# Altium PCB driver_V1.2.3.PcbDoc (part 1 of 2) (continued)
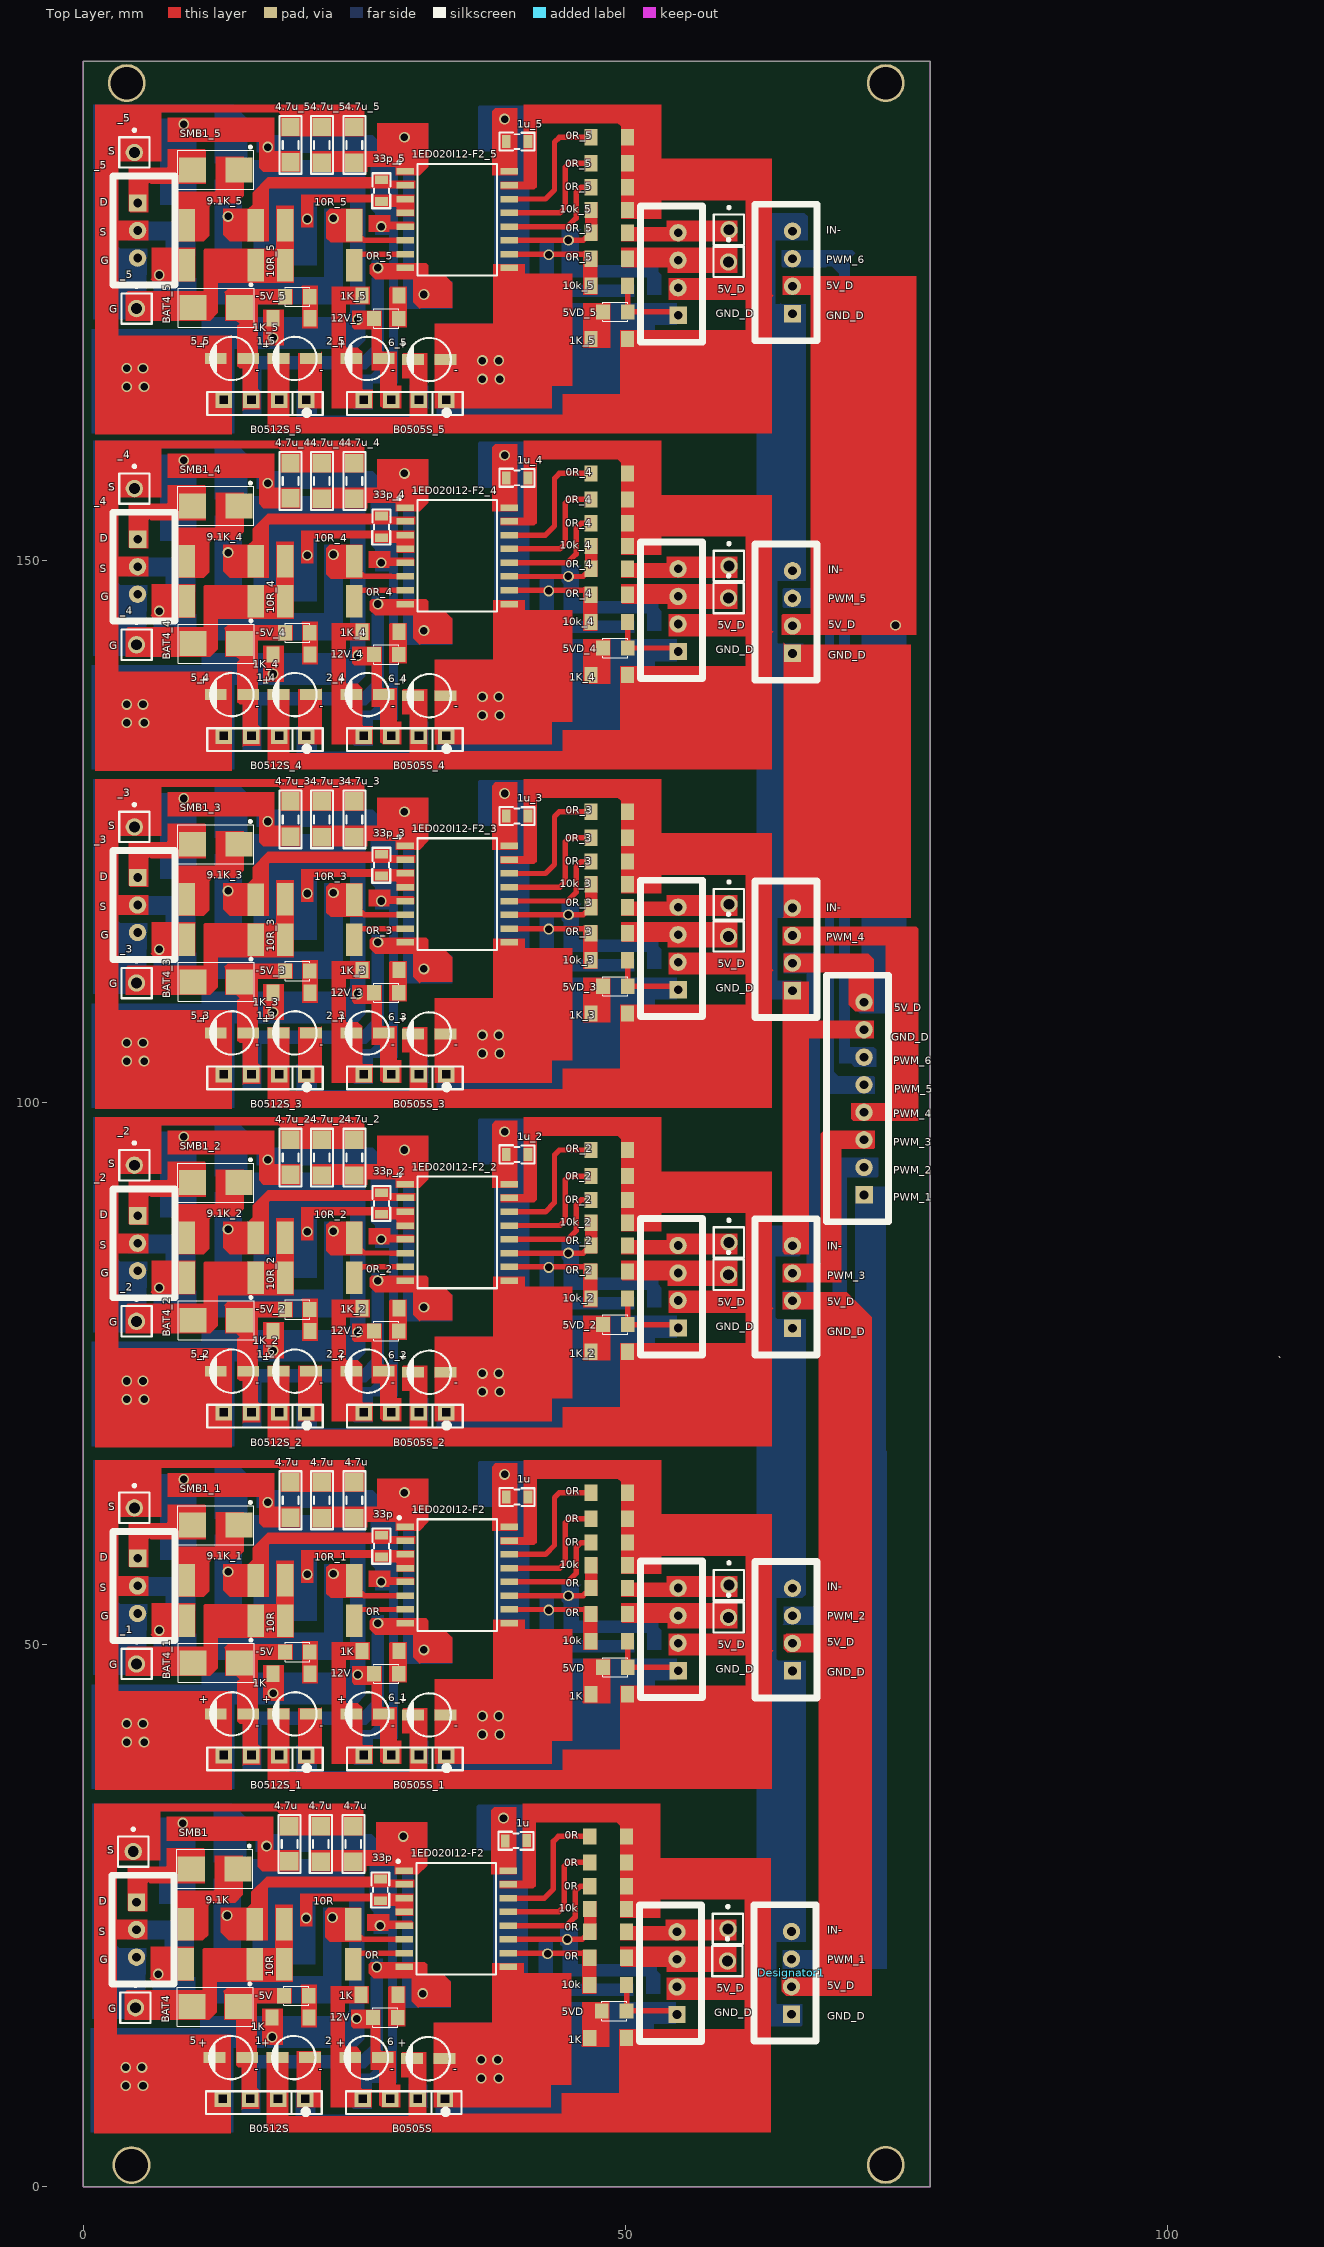
[diagram p0: Top Layer view]
## Components (designator, comment, footprint, x,y, rotation, side; value= is the part's Value field where it differs from the comment) (continued)
100p "100pF" "Tu 0805_N" 52.503,17.2 r90 bottom (schematic designator C2)
-5V "LED 0805" LED-0805-Red 20.786,17.6 r180 top (schematic designator L1)
-5V "LED 0805" LED-0805-Red 20.886,49.3 r180 top (schematic designator L1)
-5V_2 "LED 0805" LED-0805-Red 20.886,80.9 r180 top (schematic designator L1)
-5V_3 "LED 0805" LED-0805-Red 20.886,112.1 r180 top (schematic designator L1)
-5V_4 "LED 0805" LED-0805-Red 20.886,143.3 r180 top (schematic designator L1)
-5V_5 "LED 0805" LED-0805-Red 20.886,174.3 r180 top (schematic designator L1)
_1 "JP 1x1 2.54" test_point 4.9,48.2 r0 top (schematic designator JP1)
_2 "JP 1x1 2.54" test_point 4.9,79.8 r0 top (schematic designator JP1)
_2 "JP 1x1 2.54" test_point 4.7,94.2 r0 top (schematic designator JP2)
_2 "JP 1x3 2.54" XH2.54M-3 5,89.54 r270 top (schematic designator JP3)
_3 "JP 1x1 2.54" test_point 4.9,111 r0 top (schematic designator JP1)
_3 "JP 1x1 2.54" test_point 4.7,125.4 r0 top (schematic designator JP2)
_3 "JP 1x3 2.54" XH2.54M-3 5,120.74 r270 top (schematic designator JP3)
_4 "JP 1x1 2.54" test_point 4.9,142.2 r0 top (schematic designator JP1)
_4 "JP 1x1 2.54" test_point 4.7,156.6 r0 top (schematic designator JP2)
_4 "JP 1x3 2.54" XH2.54M-3 5,151.94 r270 top (schematic designator JP3)
_5 "JP 1x1 2.54" test_point 4.9,173.2 r0 top (schematic designator JP1)
_5 "JP 1x1 2.54" test_point 4.7,187.6 r0 top (schematic designator JP2)
_5 "JP 1x3 2.54" XH2.54M-3 5,182.94 r270 top (schematic designator JP3)
B0505S "DC_DC_5V" B0505S/D-1W 29.5,7.8 r0 top (schematic designator U1)
B0505S_1 "DC_DC_5V" B0505S/D-1W 29.6,39.5 r0 top (schematic designator U1)
B0505S_2 "DC_DC_5V" B0505S/D-1W 29.6,71.1 r0 top (schematic designator U1)
B0505S_3 "DC_DC_5V" B0505S/D-1W 29.6,102.3 r0 top (schematic designator U1)
B0505S_4 "DC_DC_5V" B0505S/D-1W 29.6,133.5 r0 top (schematic designator U1)
B0505S_5 "DC_DC_5V" B0505S/D-1W 29.6,164.5 r0 top (schematic designator U1)
B0512S "DC_DC_12V" B0512S/D-1W 16.6,7.8 r0 top (schematic designator U2)
B0512S_1 "DC_DC_12V" B0512S/D-1W 16.7,39.5 r0 top (schematic designator U2)
B0512S_2 "DC_DC_12V" B0512S/D-1W 16.7,71.1 r0 top (schematic designator U2)
B0512S_3 "DC_DC_12V" B0512S/D-1W 16.7,102.3 r0 top (schematic designator U2)
B0512S_4 "DC_DC_12V" B0512S/D-1W 16.7,133.5 r0 top (schematic designator U2)
B0512S_5 "DC_DC_12V" B0512S/D-1W 16.7,164.5 r0 top (schematic designator U2)
BAT1 "BAT165" SMB 11.15,27.3 r180 bottom
BAT1_1 "BAT165" SMB 11.25,59 r180 bottom (schematic designator BAT1)
BAT1_2 "BAT165" SMB 11.25,90.6 r180 bottom (schematic designator BAT1)
BAT1_3 "BAT165" SMB 11.25,121.8 r180 bottom (schematic designator BAT1)
BAT1_4 "BAT165" SMB 11.25,153 r180 bottom (schematic designator BAT1)
BAT1_5 "BAT165" SMB 11.25,184 r180 bottom (schematic designator BAT1)
BAT2 "BAT165" SMB 11.1,31.3 r180 bottom
BAT2_1 "BAT165" SMB 11.2,63 r180 bottom (schematic designator BAT2)
BAT2_2 "BAT165" SMB 11.2,94.6 r180 bottom (schematic designator BAT2)
BAT2_3 "BAT165" SMB 11.2,125.8 r180 bottom (schematic designator BAT2)
BAT2_4 "BAT165" SMB 11.2,157 r180 bottom (schematic designator BAT2)
BAT2_5 "BAT165" SMB 11.2,188 r180 bottom (schematic designator BAT2)
BAT3 "BAT165" SMB 11.2,18.1 r0 bottom
BAT3_1 "BAT165" SMB 11.3,49.8 r0 bottom (schematic designator BAT3)
BAT3_2 "BAT165" SMB 11.3,81.4 r0 bottom (schematic designator BAT3)
BAT3_3 "BAT165" SMB 11.3,112.6 r0 bottom (schematic designator BAT3)
BAT3_4 "BAT165" SMB 11.3,143.8 r0 bottom (schematic designator BAT3)
BAT3_5 "BAT165" SMB 11.3,174.8 r0 bottom (schematic designator BAT3)
BAT4 "BAT165" SMB 12.15,16.6 r180 top
BAT4_1 "BAT165" SMB 12.25,48.3 r180 top (schematic designator BAT4)
BAT4_2 "BAT165" SMB 12.25,79.9 r180 top (schematic designator BAT4)
BAT4_3 "BAT165" SMB 12.25,111.1 r180 top (schematic designator BAT4)
BAT4_4 "BAT165" SMB 12.25,142.3 r180 top (schematic designator BAT4)
BAT4_5 "BAT165" SMB 12.25,173.3 r180 top (schematic designator BAT4)
BAT5 "BAT165" SMB 11.1,22.6 r0 bottom
BAT5_1 "BAT165" SMB 11.2,54.3 r0 bottom (schematic designator BAT5)
BAT5_2 "BAT165" SMB 11.2,85.9 r0 bottom (schematic designator BAT5)
BAT5_3 "BAT165" SMB 11.2,117.1 r0 bottom (schematic designator BAT5)
BAT5_4 "BAT165" SMB 11.2,148.3 r0 bottom (schematic designator BAT5)
BAT5_5 "BAT165" SMB 11.2,179.3 r0 bottom (schematic designator BAT5)
C2_1 "100pF" "Tu 0805_N" 52.603,48.9 r90 bottom (schematic designator C2)
C2_2 "100pF" "Tu 0805_N" 52.603,80.5 r90 bottom (schematic designator C2)
C2_3 "100pF" "Tu 0805_N" 52.603,111.7 r90 bottom (schematic designator C2)
C2_4 "100pF" "Tu 0805_N" 52.603,142.9 r90 bottom (schematic designator C2)
C2_5 "100pF" "Tu 0805_N" 52.603,173.9 r90 bottom (schematic designator C2)
C3_1 "100pF" "Tu 0805_N" 50.2,48.9 r90 bottom (schematic designator C3)
C3_2 "100pF" "Tu 0805_N" 50.2,80.5 r90 bottom (schematic designator C3)
C3_3 "100pF" "Tu 0805_N" 50.2,111.7 r90 bottom (schematic designator C3)
C3_4 "100pF" "Tu 0805_N" 50.2,142.9 r90 bottom (schematic designator C3)
C3_5 "100pF" "Tu 0805_N" 50.2,173.9 r90 bottom (schematic designator C3)
Designator1 "JP 1x4 2.54" XH2.54M-4 65.3,15.9 r90 top (schematic designator JP8)
H1 "Header 8P 2.54 Duc Thang" XH2.54M-8 72,91.46 r90 top
JP1 "JP 1x1 2.54" test_point 4.8,16.5 r0 top
JP2 "JP 1x1 2.54" test_point 4.6,30.9 r0 top
JP2 "JP 1x1 2.54" test_point 4.7,62.6 r0 top
JP3 "JP 1x3 2.54" XH2.54M-3 4.9,26.24 r270 top
JP3 "JP 1x3 2.54" XH2.54M-3 5,57.94 r270 top
JP4 "JP 1x4 2.54" XH2.54M-4 54.75,15.88 r90 top
JP4 "JP 1x4 2.54" XH2.54M-4 54.85,47.58 r90 top
JP4 "JP 1x4 2.54" XH2.54M-4 54.85,79.18 r90 top
JP4 "JP 1x4 2.54" XH2.54M-4 54.85,110.38 r90 top
JP4 "JP 1x4 2.54" XH2.54M-4 54.85,141.58 r90 top
JP4 "JP 1x4 2.54" XH2.54M-4 54.85,172.58 r90 top
JP5 "JP 1x1 2.54" test_point 59.4,20.8 r0 top
JP5 "JP 1x1 2.54" test_point 59.5,52.5 r0 top
JP5 "JP 1x1 2.54" test_point 59.5,84.1 r0 top
JP5 "JP 1x1 2.54" test_point 59.5,115.3 r0 top
JP5 "JP 1x1 2.54" test_point 59.5,146.5 r0 top
JP5 "JP 1x1 2.54" test_point 59.5,177.5 r0 top
JP6 "JP 1x1 2.54" test_point 59.44,23.77 r0 top
JP6 "JP 1x1 2.54" test_point 59.54,55.47 r0 top
JP6 "JP 1x1 2.54" test_point 59.54,87.07 r0 top
JP6 "JP 1x1 2.54" test_point 59.54,118.27 r0 top
JP6 "JP 1x1 2.54" test_point 59.54,149.47 r0 top
JP6 "JP 1x1 2.54" test_point 59.54,180.47 r0 top
JP7 "JP 1x4 2.54" XH2.54M-4 65.4,172.72 r90 top
JP9 "JP 1x4 2.54" XH2.54M-4 65.4,79.16 r90 top
JP10 "JP 1x4 2.54" XH2.54M-4 65.4,141.4 r90 top
JP11 "JP 1x4 2.54" XH2.54M-4 65.4,47.56 r90 top
JP12 "JP 1x4 2.54" XH2.54M-4 65.4,110.3 r90 top
SMB1 "S3N" SMB 12.1,29.3 r180 top
SMB1_1 "S3N" SMB 12.2,61 r180 top (schematic designator SMB1)
SMB1_2 "S3N" SMB 12.2,92.6 r180 top (schematic designator SMB1)
SMB1_3 "S3N" SMB 12.2,123.8 r180 top (schematic designator SMB1)
SMB1_4 "S3N" SMB 12.2,155 r180 top (schematic designator SMB1)
SMB1_5 "S3N" SMB 12.2,186 r180 top (schematic designator SMB1)

## Footprints (in the part's own frame and the unit in brackets; to place one, negate y for a bottom-side part, rotate by r counter-clockwise, add the part's x,y. Pads: shape width x height; smd on the part's side, far side on the other; paste and mask are expansions set on the pad)
B0505S/D-1W [mm] "B0512S/D-1W"
  rect 1.52x1.52 hole 0.75 square: 1(3.85,0.3) 2(1.35,0.3) 3(-1.2,0.3) 4(-3.74,0.3)
  silkscreen extent -5.28,-1.12 5.38,1, body extent -5.8,-4.8 5.8,1.52, height 18.66
B0512S/D-1W [mm] "B0512S/D-1W"
  rect 1.52x1.52 hole 0.75 square: 1(3.85,0.3) 2(1.35,0.3) 3(-1.2,0.3) 4(-3.74,0.3)
  silkscreen extent -5.28,-1.12 5.38,1, body extent -6,-4.1 5.6,1.91, height 18
LED-0805-Red [mil]
  rect 50x55 smd: 1(0,0) 2(90,0)
  silkscreen extent 0,-35 90,35, body extent 5,-25 85,25, height 43
RES1206 [mm]
  rect 1.2x1.5 smd: 1(-1.7,0) 2(1.7,0)
  body extent -1.9,-0.8 1.9,0.8, height 0.6
RES_2512 [mm]
  rect 1.5x3 smd: 1(3.185,0.2)
  rect 1.524x3 smd: 2(-3.166,0.208)
  body extent -3.4,-1.35 3.4,1.75, height 0.6
SMB [mm] "DO-214"
  rect 2.5x2.3 smd: 1(-2.15,0) 2(2.15,0)
  silkscreen extent -3.5,-2.2 3.5,1.8, body extent -2.7,-1.8 2.7,1.8
SOIC127P1028X264-16N-1 [mm] "SOIC,1.27mm,pitch;16 pin,7.52mm W X 10.34mm L X 2.64mm H body"
  rect 1.6x0.6 smd paste+0 mask+0: 1(-4.8,4.445) 2(-4.8,3.175) 3(-4.8,1.905) 4(-4.8,0.635) 5(-4.8,-0.635) 6(-4.8,-1.905) 7(-4.8,-3.175) 8(-4.8,-4.445) 9(4.8,-4.445) 10(4.8,-3.175) 11(4.8,-1.905) 12(4.8,-0.635) 13(4.8,0.635) 14(4.8,1.905) 15(4.8,3.175) 16(4.8,4.445)
  silkscreen extent -5.47,-5.15 3.68,5.42, body extent -5.16,-5.17 5.16,5.17, height 2.65
test_point [mm] "1pins, 1 row, straight, gold plating"
  round 1.6 hole 1: 1(0,0)
  silkscreen extent -1.4,-1.4 1.4,2.17, body extent -1.27,-1.27 1.27,1.27, height 4.89
"Tu 0805_N" [mm] "Compoment SMD 80x50mil"
  rect 0.8x1.2 smd: 1(-1,-0.003) 2(1,0)
  silkscreen extent -1.62,-0.83 1.61,0.83, body extent -1,-0.62 1,0.63, height 1.26
"tu 1206_N"#1 [mm]
  rect 1.7x1.7 smd: 1(-1.65,0) 2(1.65,0)
  silkscreen extent -2.67,-1.02 2.67,1.02, body extent -1.6,-1.25 1.6,1.25, height 2.01
"tu 1206_N"#2 [mm]
  rect 1.7x1.7 smd: 1(-1.65,0) 2(1.6,0)
  silkscreen extent -2.67,-1.02 2.67,1.02, body extent -1.6,-1.25 1.6,1.25, height 2.01
tu_4x5.4mm [mm]
  rect 2x1 smd: 1(-1.5,0) 2(1.5,0)
  silkscreen extent -2,-2 2,2, body extent -2.45,-2.15 2.45,2.15, height 5.4
XH2.54M-3 [mm]
  rect 1.6x1.6 hole 0.8: 1(0,0)
  round 1.6 hole 0.8: 2(2.54,0) 3(5.08,0)
  silkscreen extent -2.48,-2.26 7.56,3.46, body extent -2.48,-2.26 7.56,3.48, height 6.91
XH2.54M-4 [mm]
  rect 1.6x1.6 hole 0.8: 1(0,0)
  round 1.6 hole 0.8: 2(2.54,0) 3(5.08,0) 4(7.62,0)
  silkscreen extent -2.48,-2.26 10.1,3.46, body extent -2.48,-2.26 10.1,3.48, height 6.91
XH2.54M-8 [mm]
  rect 1.6x1.6 hole 0.8: 1(0,0)
  round 1.6 hole 0.8: 2(2.54,0) 3(5.08,0) 4(7.62,0) 5(10.16,0) 6(12.7,0) 7(15.24,0) 8(17.78,0)
  silkscreen extent -2.48,-2.26 20.26,3.46, body extent -2.48,-2.26 20.26,3.48, height 6.91

## Part data
0R 0R 0R 0R 0R 0R 0R 0R 0R 0R 0R 0R 0R_2 0R_2 0R_2 0R_2 0R_2 0R_2 0R_3 0R_3 0R_3 0R_3 0R_3 0R_3 0R_4 0R_4 0R_4 0R_4 0R_4 0R_4 0R_5 0R_5 0R_5 0R_5 0R_5 0R_5 1K 1K 1K 1K 1K 1K 1K_2 1K_2 1K_2 1K_3 1K_3 1K_3 1K_4 1K_4 1K_4 1K_5 1K_5 1K_5 9.1K 9.1K_1 9.1K_2 9.1K_3 9.1K_4 9.1K_5 10k 10k 10k 10k 10k_2 10k_2 10k_3 10k_3 10k_4 10k_4 10k_5 10k_5 10R 10R 10R 10R_1 10R_2 10R_2 10R_3 10R_3 10R_4 10R_4 10R_5 10R_5: library part 311-0.0GRTR-ND
1 1 1_2 1_3 1_4 1_5 2 2 2_2 2_3 2_4 2_5 5 5 5_2 5_3 5_4 5_5 6 6_1 6_2 6_3 6_4 6_5: library part capacitor_electric, "capacitor_electric"
1ED020I12-F2 1ED020I12-F2 1ED020I12-F2_2 1ED020I12-F2_3 1ED020I12-F2_4 1ED020I12-F2_5: "Single IGBT Driver IC"
1u 1u 1u_2 1u_3 1u_4 1u_5 33p 33p 33p_2 33p_3 33p_4 33p_5 100p 100p C2_1 C2_2 C2_3 C2_4 C2_5 C3_1 C3_2 C3_3 C3_4 C3_5: library part cap_0805
4.7u 4.7u 4.7u 4.7u 4.7u 4.7u 4.7u_2 4.7u_2 4.7u_2 4.7u_3 4.7u_3 4.7u_3 4.7u_4 4.7u_4 4.7u_4 4.7u_5 4.7u_5 4.7u_5: library part cap_1210
5VD 5VD 5VD_2 5VD_3 5VD_4 5VD_5 12V 12V 12V_2 12V_3 12V_4 12V_5 -5V -5V -5V_2 -5V_3 -5V_4 -5V_5: library part "LED 0805 Do", "Dán"
_1 _2 _2 _3 _3 _4 _4 _5 _5 JP1 JP2 JP2 JP5 JP5 JP5 JP5 JP5 JP5 JP6 JP6 JP6 JP6 JP6 JP6: library part "JP 1x1 2.54 Duc Thang", "C?m"
_2 _3 _4 _5 JP3 JP3: library part "JP 1x3 2.54 Duc Cong", "C?m"
B0505S B0505S_1 B0505S_2 B0505S_3 B0505S_4 B0505S_5: library part DC_DC_5v
B0512S B0512S_1 B0512S_2 B0512S_3 B0512S_4 B0512S_5: library part DC_DC_12v
Designator1 JP4 JP4 JP4 JP4 JP4 JP4 JP7 JP9 JP10 JP11 JP12: library part "JP 1x4 2.54 Duc Thang", "C?m"
H1: "C?m"
SMB1 SMB1_1 SMB1_2 SMB1_3 SMB1_4 SMB1_5: library part S3A-S3N

## Free pads (board coordinates)
  round 3.5 hole 3: 3(4,194) 3(4.438,1.985) 3(74,2) 3(74,194)

## Via types
v1: diameter 1, hole 0.7, Top Layer to Bottom Layer, 139 vias

## Nets (pads, with @x,y where several pads share a name; then routed paths per layer and width w, separated by ;. In a path a pad name is that pad's centre, name@x,y a point inside that pad or via, vN(x,y) a via of type N, cw(c..) or ccw(c..) an arc to the next point about the centre after c; other vN are vias at no path point)
5V_D: 0R.1@50.1,27.7 0R.1@50.1,29.9 0R.2@50.1,32.3 1.1@17.9,11.9 1ED020I12-F2.15@39.184,27.876 1K.1@50.1,13.7 1u.2@40.9,31.9 6.1 10k.2@50.1,25.6 B0505S.2 B0512S.2 JP4.2@54.75,18.42 | length 124.2
  Top Layer w0.5: 1.1@17.9,11.9 17.9,8.15 B0512S.2@17.95,8.1 17.95,6.45 18.6,5.8 30,5.8 30.465,6.265 ; 6.1@30.3,11.8 30.3,8.65 B0505S.2@30.85,8.1 30.85,6.65 30.465,6.265 ; 1ED020I12-F2.15@39.184,27.876 40.576,27.876 40.9,28.2 1u.2@40.9,31.9 40.9,34.1 41.3,34.5 49.2,34.5 50.1,33.6 0R.2@50.1,32.3 0R.1@50.1,29.9 0R.1@50.1,28 ; 10k.2@50.1,25.6 0R.1@50.1,27.7 0R.1@50.1,28 ; JP4.2@54.75,18.42 63,18.42 ; 30.465,6.265 48.035,6.265 50.1,8.33 1K.1@50.1,13.7 50.34,13.46 61.16,13.46 61.2,13.5 62.8,13.5 63,13.7 63,18.42 ; 0R.1@50.1,28 62.3,28 63,27.3 63,18.42
  Bottom Layer w0.5: B0505S.2@30.6,8.35 B0505S.2@30.85,8.1
5V_N: Designator1.2 H1.8 JP7.2 JP9.2 JP10.2 JP11.2 JP12.2 | length 197.6
  Top Layer w0.5: Designator1.2@65.3,18.44 67.79,18.44 68.95,19.6 68.95,50 ; JP9.2@65.4,81.7 68,81.7 68.95,80.75 68.95,50 ; JP12.2@65.4,112.84 70.86,112.84 72,111.7 H1.8@72,109.24 ; JP10.2@65.4,143.94 68.64,143.94 ; JP7.2@65.4,175.26 68.11,175.26 68.7,174.67 68.7,144 68.64,143.94 ; JP11.2@65.7,50 68.95,50 ; v1(74.9,144) 74.84,143.94 68.64,143.94
  Bottom Layer w0.5: JP9.2@65.4,81.7 65.87,81.7 66.07,81.5 66.5,81.5 67.2,82.2 67.2,112.5 66.86,112.84 JP12.2@65.4,112.84 ; H1.8@72,109.24 74.34,109.24 74.9,109.8 v1(74.9,144)
12V: 1ED020I12-F2.5@29.584,24.066 1K.1@25.6,17.7 2.1@24.6,11.9 4.7u.2@19,30 B0505S.4 BAT1.2 BAT2.2 | length 68.9
  Top Layer w0.5: v1(9.16,33.52) 16.5,33.52 16.91,33.11 v1@16.91,31.39 ; v1(16.9,31.4) v1@16.91,31.39 ; 4.7u.2@19,30 17.3,30 16.91,30.39 v1@16.91,31.39 ; 1K.1@25.6,17.7 24.3,17.7 23.6,17 23.6,12.9 2.1@24.6,11.9 25.1,11.4 25.1,8.76 B0505S.4@25.76,8.1 ; v1(27.366,24.066) 1ED020I12-F2.5@29.584,24.066
  Bottom Layer w0.5: BAT1.2@8.95,27.3 BAT2.2@8.95,31.3 8.95,33.31 v1(9.16,33.52) ; v1(16.9,31.4) 26.8,31.4 27.366,30.834 v1(27.366,24.066) 28.034,24.066 28.4,23.7 28.4,12 25.76,9.36 B0505S.4@25.76,8.1
-5V: 1ED020I12-F2.1@29.584,29.146 1ED020I12-F2.8@29.584,20.256 4.7u.1@21.9,29.95 4.7u.1@24.9,29.95 5.2@15.1,11.9 -5V.2@18.5,17.6 B0512S.3 BAT4.1 | length 71.2
  Top Layer w0.5: B0512S.3@15.4,8.1 15.1,8.4 5.2@15.1,11.9 15.1,15.8 BAT4.1@14.3,16.6 15.3,17.6 -5V.2@18.5,17.6 ; 4.7u.1@21.9,29.95 4.7u.1@24.9,29.95 27.3,29.95 ; v1(27.056,20.256) 1ED020I12-F2.8@29.584,20.256 30.944,20.256 31.3,19.9 v1(31.3,17.8) ; v1(29.5,32.3) 27.7,32.3 27.3,31.9 27.3,29.95 ; 1ED020I12-F2.1@29.584,29.146 29.584,29.516 29.15,29.95 27.3,29.95
  Bottom Layer w0.5: B0512S.3@15.4,8.1 15.4,10.7 16.5,11.8 26,11.8 27.056,12.856 v1(27.056,20.256) ; v1(29.5,32.3) 29.8,32 29.8,18 30,17.8 v1(31.3,17.8)
GND_D: 1.2@20.9,11.9 1ED020I12-F2.9@39.184,20.256 1ED020I12-F2.16@39.184,29.146 1u.1@38.9,31.897 5VD.2@50.1,16.2 6.2 10k.1@50.1,18.6 100p.1 B0505S.1 B0512S.1 JP4.1@54.75,15.88 | length 98.8
  Top Layer w0.5: B0512S.1@20.45,8.1 20.9,8.55 1.2@20.9,11.9 ; B0505S.1@33.35,8.1 33.3,8.15 6.2@33.3,11.8 38.02,11.8 39.184,12.964 1ED020I12-F2.9@39.184,20.256 ; v1(38.742,33.981) 38.9,33.823 1u.1@38.9,31.897 38.9,29.43 1ED020I12-F2.16@39.184,29.146 ; 10k.1@50.1,18.6 5VD.2@50.1,16.2 54.43,16.2 JP4.1@54.75,15.88
  Bottom Layer w0.5: B0512S.1@20.45,8.1 20.45,6.65 20.7,6.4 32.6,6.4 33.35,7.15 B0505S.1@33.35,8.1 ; B0505S.1@32.9,8.55 B0505S.1@33.35,8.1 ; 38.559,14.116 v1@38.559,33.981 ; JP4.1@54.8,16 54.6,16.2 100p.1@52.5,16.2 100p.1@50.097,16.2 50.097,14.397 49.8,14.1 34.1,14.1 33.35,13.35 B0505S.1@33.35,8.1
  other v1: 36.7,10 38.3,10 36.7,11.7 38.2,11.7
GND_N: Designator1.1 Designator1.4 H1.7 JP7.1 JP7.4 JP9.1 JP9.4 JP10.1 JP10.4 JP11.1 JP11.4 JP12.1 JP12.4 | length 217.9
  Top Layer w0.5: JP9.4@65.4,86.78 65.4,106.9 ; 65.4,109.4 65.4,106.9 ; JP12.4@65.4,117.92 JP10.1@65.4,141.4 ; H1.7@72,106.7 65.6,106.7 65.4,106.9
  Bottom Layer w1: 63.1,79.26 JP9.1@65.4,79.26 ; 63.33,55.18 JP11.4@65.4,55.18 ; Designator1.1@65.3,15.9 63.65,15.9 63.22,16.33 63.22,23.23 63.51,23.52 Designator1.4@65.3,23.52 65.4,23.62 JP11.1@65.4,47.56 63.64,47.56 63,48.2 63,86.4 63.38,86.78 JP9.4@65.4,86.78 ; JP12.1@65.4,110.3 63.86,110.3 63.23,110.93 63.23,117.23 63.92,117.92 JP12.4@65.4,117.92 JP10.1@65.4,141.4 63.49,141.4 63.02,141.87 63.02,148.21 63.83,149.02 JP10.4@65.4,149.02 JP7.1@65.4,172.72 63.74,172.72 62.96,173.5 62.96,180.01 63.29,180.34 JP7.4@65.4,180.34
HS_GATE: 0R.2@18.534,20.508 10R.2@15.8,20.5 10R.2@18.534,24.208 BAT2.1 BAT4.2 JP1.1 JP3.3@4.9,21.16 | length 57.5
  Top Layer w0.5: JP1.1@4.8,16.5 9.9,16.5 BAT4.2@10,16.6 11.3,17.9 11.3,20.2 11.9,20.8 10R.2@15.8,20.8 ; 10R.2@15.8,20.5 16,20.7 18.342,20.7 0R.2@18.534,20.508 10R.2@18.534,24.208
  Bottom Layer w0.5: JP1.1@4.8,16.5 4.9,16.6 JP3.3@4.9,21.16 4.76,21.3 1.8,21.3 1.3,21.8 1.3,34.4 1.9,35 12.8,35 13.25,34.55 BAT2.1@13.25,31.3
HS_GND: 1ED020I12-F2.3@29.584,26.606 1ED020I12-F2.4@29.584,25.336 1K.2@17.4,15.6 2.2@27.6,11.9 4.7u.1@19,33.25 4.7u.2@21.9,33.25 4.7u.2@24.9,33.25 5.1@12.1,11.9 12V.2@26.7,15.6 33p.1@27.383,26.37 B0505S.3 B0512S.4 BAT5.1 JP2.1@4.6,30.9 JP3.2@4.9,23.7 | length 130.1
  Top Layer w0.5: JP3.2@4.9,23.7 1.9,23.7 ; B0512S.4@12.86,8.1 12.1,8.86 5.1@12.1,11.9 2.5,11.9 1.9,12.5 1.9,23.7 ; v1@17.4,14 1K.2@17.4,15.6 ; v1(20.55,24.76) 20.55,26.15 21.15,26.75 29.44,26.75 1ED020I12-F2.3@29.584,26.606 1ED020I12-F2.4@29.584,25.336 ; 4.7u.2@24.9,33.25 4.7u.2@21.9,33.25 4.7u.1@19,33.25 19,34.5 18.6,34.9 5,34.9 4.6,34.5 JP2.1@4.6,30.9 2.3,30.9 1.9,30.5 1.9,23.7 ; v1(25.2,15.5) 25.3,15.6 12V.2@26.7,15.6 ; 12V.2@26.7,15.3 26.9,15.1 26.9,12.2 27.2,11.9 2.2@27.6,11.9 27.6,8.8 B0505S.3@28.3,8.1 ; 33p.1@27.383,26.37 27.383,26.653 33p.1@27.43,26.7
  Bottom Layer w0.5: JP3.2@4.9,23.7 7.85,23.7 BAT5.1@8.95,22.6 ; B0512S.4@12.86,8.1 12.86,12.96 13.7,13.8 v1(17.4,13.8) 24.5,13.8 25.2,14.5 v1(25.2,15.5) 25.2,27.2 24.6,27.8 21.2,27.8 20.55,27.15 v1(20.55,24.76)
  other v1: 3.9,9.3 5.5,9.3 3.9,11 5.4,11
HS_HV_VDC: JP3.1@4.9,26.24 SMB1.2 | length 7.2
  Top Layer w0.5: JP3.1@4.9,26.24 4.9,28.7 5.3,29.1 9.15,29.1 SMB1.2@9.35,28.9
IN+: 0R.2@50.1,21.1 JP4.3@54.75,20.96 JP5.1@59.4,20.8 | length 9.4
  Top Layer w0.5: 0R.2@50.1,21.1 59.1,21.1 JP5.1@59.4,20.8
IN-: 0R.2@50.1,23.5 JP4.4@54.75,23.5 JP6.1@59.44,23.77 | length 9.7
  Top Layer w0.5: 0R.2@50.1,23.5 54.62,23.5 54.76,23.64 55,23.4 59.07,23.4 JP6.1@59.44,23.77
Net3_2: 1K.2@46.7,13.7 5VD.1@47.814,16.2 | length 3.9
  Top Layer w0.5: 1K.2@46.4,14 1K.2@46.7,13.7 46.7,15.9 47,16.2 5VD.1@47.814,16.2
Net4_2: 1K.2@29,17.7 12V.1@28.986,15.6 | length 2.1
  Top Layer w0.5: 12V.1@29,15.614 1K.2@29,17.7
Net7_1: 1K.1@20.8,15.6 -5V.1@20.786,17.6 | length 2
  Top Layer w0.5: -5V.1@20.786,17.6 20.786,15.614 1K.1@20.8,15.6
Net10_1: 0R.1@46.7,23.5 1ED020I12-F2.11@39.184,22.796 10k.1@46.7,25.6 100p.2@52.503,18.2 | length 22
  Top Layer w0.5: 1ED020I12-F2.11@39.184,22.796 45.996,22.796 0R.1@46.7,23.5 10k.1@46.7,25.6
  Bottom Layer w0.5: v1(44.627,22.799) 44.627,20.073 44.96,19.74 52.16,19.74 52.503,19.397 100p.2@52.503,18.2
Net11_2: 0R.2@46.7,29.9 1ED020I12-F2.13@39.184,25.336 | length 11.6
  Top Layer w0.5: 1ED020I12-F2.13@39.184,25.336 43.836,25.336 44.35,25.85 44.35,29.55 44.7,29.9 0R.2@46.7,29.9
Net12_1: 0R.1@46.7,32.3 1ED020I12-F2.14@39.184,26.606 | length 12.5
  Top Layer w0.5: 1ED020I12-F2.14@39.184,26.606 42.506,26.606 43.35,27.45 43.35,31.85 43.8,32.3 0R.1@46.7,32.3
Net13_2: 0R.2@46.7,27.7 1ED020I12-F2.12@39.184,24.066 | length 10.4
  Top Layer w0.5: 1ED020I12-F2.12@39.184,24.066 44.566,24.066 45.35,24.85 45.35,27.25 45.8,27.7 0R.2@46.7,27.7
Net14_2: 1ED020I12-F2.2@29.584,27.876 9.1K.1 33p.2@27.38,28.37 BAT1.1 BAT5.2 | length 24.7
  Top Layer w0.5: v1(13.25,25) 15,25 9.1K.1@15.8,24.2 15.8,27 16.83,28.03 29.43,28.03 1ED020I12-F2.2@29.584,27.876
  Bottom Layer w0.5: BAT5.2@13.25,22.6 v1(13.25,25) BAT1.1@13.25,27.3
Net14_6: 1ED020I12-F2.6@29.584,22.796 10R.1@24.885,24.2 BAT3.2 | length 23.7
  Top Layer w0.5: v1(22.96,24.82) 24.265,24.82 10R.1@24.885,24.2 24.885,23.715 25.8,22.8 28.257,22.8 28.261,22.796 1ED020I12-F2.6@29.584,22.796
  Bottom Layer w0.5: BAT3.2@13.35,18.1 22.4,18.1 22.96,18.66 v1(22.96,24.82)
Net14_7: 0R.1@24.885,20.5 1ED020I12-F2.7@29.584,21.526 | length 5
  Top Layer w0.5: 0R.1@24.885,20.8 25.611,21.526 1ED020I12-F2.7@29.584,21.526
Net14_10: 0R.1@46.7,21.1 1ED020I12-F2.10@39.184,21.526 10k.2@46.7,18.6 100p.2@50.1,18.2 | length 20.6
  Top Layer w0.5: 1ED020I12-F2.10@39.184,21.526 46.274,21.526 0R.1@46.7,21.1 10k.2@46.7,18.6
  Bottom Layer w0.5: v1(42.817,21.47) 42.817,18.483 43.1,18.2 100p.2@50.1,18.2
Net15_2: 9.1K.2 SMB1.1 | length 6.9
  Top Layer w0.5: 9.1K.2@9.449,24.408 14.25,29.209 SMB1.1@14.25,29.3
Net19_1: 10R.1@9.449,20.508 BAT3.1 | length 6.5
  Top Layer w0.5: v1(6.9,19.6) 6.9,20 7.408,20.508 10R.1@9.449,20.508
  Bottom Layer w0.5: v1(6.9,19.6) 6.9,18.6 7.4,18.1 BAT3.1@9.05,18.1
PWM_1: Designator1.3 H1.1 | length 75.6
  Bottom Layer w1: Designator1.3@65.3,20.98 65.62,21.3 69.7,21.3 72,23.6 H1.1@72,91.46
PWM_2: H1.2 JP11.3 | length 47.2
  Bottom Layer w0.5: JP11.3@65.4,52.64 69.04,52.64 69.7,53.3 69.7,93.3 70.4,94 H1.2@72,94
PWM_3: H1.3 JP9.3 | length 18.1
  Top Layer w0.5: JP9.3@65.4,84.24 68.14,84.24 68.68,84.78 68.68,95.68 69.54,96.54 H1.3@72,96.54
PWM_4: H1.4 JP12.3 | length 29.9
  Top Layer w0.5: JP12.3@65.4,115.38 75.09,115.38 76.18,114.29 76.18,100.33 74.93,99.08 H1.4@72,99.08
PWM_5: H1.5 JP10.3 | length 50.4
  Bottom Layer w0.5: JP10.3@65.4,146.48 67.82,146.48 68.8,145.5 68.8,102.5 69.68,101.62 H1.5@72,101.62
PWM_6: H1.6 JP7.3 | length 79.2
  Bottom Layer w0.5: JP7.3@65.4,177.8 68.8,177.8 70.06,176.54 70.06,104.64 70.54,104.16 H1.6@72,104.16
pads on no net: 0R.1@24.985,52.2 0R.1@46.8,52.8 0R.1@46.8,55.2 0R.1@46.8,64 0R.1@50.2,59.4 0R.1@50.2,61.6 0R.2@18.634,52.208 0R.2@46.8,59.4 0R.2@46.8,61.6 0R.2@50.2,52.8 0R.2@50.2,55.2 0R.2@50.2,64 0R_2.1 0R_2.2 0R_3.1 0R_3.2 0R_4.1 0R_4.2 0R_5.1 0R_5.2 1.1@18,43.6 1.2@21,43.6 1_2.1 1_2.2 1_3.1 1_3.2 1_4.1 1_4.2 1_5.1 1_5.2 1ED020I12-F2.1@29.684,60.846 1ED020I12-F2.2@29.684,59.576 1ED020I12-F2.3@29.684,58.306 1ED020I12-F2.4@29.684,57.036 1ED020I12-F2.5@29.684,55.766 1ED020I12-F2.6@29.684,54.496 1ED020I12-F2.7@29.684,53.226 1ED020I12-F2.8@29.684,51.956 1ED020I12-F2.9@39.284,51.956 1ED020I12-F2.10@39.284,53.226 1ED020I12-F2.11@39.284,54.496 1ED020I12-F2.12@39.284,55.766 1ED020I12-F2.13@39.284,57.036 1ED020I12-F2.14@39.284,58.306 1ED020I12-F2.15@39.284,59.576 1ED020I12-F2.16@39.284,60.846 1ED020I12-F2_2.1 1ED020I12-F2_2.2 1ED020I12-F2_2.3 1ED020I12-F2_2.4 1ED020I12-F2_2.5 1ED020I12-F2_2.6 1ED020I12-F2_2.7 1ED020I12-F2_2.8 1ED020I12-F2_2.9 1ED020I12-F2_2.10 1ED020I12-F2_2.11 1ED020I12-F2_2.12 1ED020I12-F2_2.13 1ED020I12-F2_2.14 1ED020I12-F2_2.15 1ED020I12-F2_2.16 1ED020I12-F2_3.1 1ED020I12-F2_3.2 1ED020I12-F2_3.3 1ED020I12-F2_3.4 1ED020I12-F2_3.5 1ED020I12-F2_3.6 1ED020I12-F2_3.7 1ED020I12-F2_3.8 1ED020I12-F2_3.9 1ED020I12-F2_3.10 1ED020I12-F2_3.11 1ED020I12-F2_3.12 1ED020I12-F2_3.13 1ED020I12-F2_3.14 1ED020I12-F2_3.15 1ED020I12-F2_3.16 1ED020I12-F2_4.1 1ED020I12-F2_4.2 1ED020I12-F2_4.3 1ED020I12-F2_4.4 1ED020I12-F2_4.5 1ED020I12-F2_4.6 1ED020I12-F2_4.7 1ED020I12-F2_4.8 1ED020I12-F2_4.9 1ED020I12-F2_4.10 1ED020I12-F2_4.11 1ED020I12-F2_4.12 1ED020I12-F2_4.13 1ED020I12-F2_4.14 1ED020I12-F2_4.15 1ED020I12-F2_4.16 1ED020I12-F2_5.1 1ED020I12-F2_5.2 1ED020I12-F2_5.3 1ED020I12-F2_5.4 1ED020I12-F2_5.5 1ED020I12-F2_5.6 1ED020I12-F2_5.7 1ED020I12-F2_5.8 1ED020I12-F2_5.9 1ED020I12-F2_5.10 1ED020I12-F2_5.11 1ED020I12-F2_5.12 1ED020I12-F2_5.13 1ED020I12-F2_5.14 1ED020I12-F2_5.15 1ED020I12-F2_5.16 1K.1@20.9,47.3 1K.1@25.7,49.4 1K.1@50.2,45.4 1K.2@17.5,47.3 1K.2@29.1,49.4 1K.2@46.8,45.4 1K_2.1 1K_2.2 1K_3.1 1K_3.2 1K_4.1 1K_4.2 1K_5.1 1K_5.2 1u.1@39,63.597 1u.2@41,63.6 1u_2.1 1u_2.2 1u_3.1 1u_3.2 1u_4.1 1u_4.2 1u_5.1 1u_5.2 2.1@24.7,43.6 2.2@27.7,43.6 2_2.1 2_2.2 2_3.1 2_3.2 2_4.1 2_4.2 2_5.1 2_5.2 4.7u.1@19.1,64.95 4.7u.1@22,61.65 4.7u.1@25,61.65 4.7u.2@19.1,61.7 4.7u.2@22,64.95 4.7u.2@25,64.95 4.7u_2.1 4.7u_2.2 4.7u_3.1 4.7u_3.2 4.7u_4.1 4.7u_4.2 4.7u_5.1 4.7u_5.2 5.1@12.2,43.6 5.2@15.2,43.6 5_2.1 5_2.2 5_3.1 5_3.2 5_4.1 5_4.2 5_5.1 5_5.2 5VD.1@47.914,47.9 5VD.2@50.2,47.9 5VD_2.1 5VD_2.2 5VD_3.1 5VD_3.2 5VD_4.1 5VD_4.2 5VD_5.1 5VD_5.2 6_1.1 6_1.2 6_2.1 6_2.2 6_3.1 6_3.2 6_4.1 6_4.2 6_5.1 6_5.2 9.1K_1.1 9.1K_1.2 9.1K_2.1 9.1K_2.2 9.1K_3.1 9.1K_3.2 9.1K_4.1 9.1K_4.2 9.1K_5.1 9.1K_5.2 10k.1@46.8,57.3 10k.1@50.2,50.3 10k.2@46.8,50.3 10k.2@50.2,57.3 10k_2.1 10k_2.2 10k_3.1 10k_3.2 10k_4.1 10k_4.2 10k_5.1 10k_5.2 10R.1@9.549,52.208 10R.2@15.9,52.2 10R_1.1 10R_1.2 10R_2.1 10R_2.2 10R_3.1 10R_3.2 10R_4.1 10R_4.2 10R_5.1 10R_5.2 12V.1@29.086,47.3 12V.2@26.8,47.3 12V_2.1 12V_2.2 12V_3.1 12V_3.2 12V_4.1 12V_4.2 12V_5.1 12V_5.2 33p.1@27.483,58.07 33p.2@27.48,60.07 33p_2.1 33p_2.2 33p_3.1 33p_3.2 33p_4.1 33p_4.2 33p_5.1 33p_5.2 -5V.1@20.886,49.3 -5V.2@18.6,49.3 -5V_2.1 -5V_2.2 -5V_3.1 -5V_3.2 -5V_4.1 -5V_4.2 -5V_5.1 -5V_5.2 _1.1 _2.1 _2.2 _2.3 _3.1 _3.2 _3.3 _4.1 _4.2 _4.3 _5.1 _5.2 _5.3 B0505S_1.1 B0505S_1.2 B0505S_1.3 B0505S_1.4 B0505S_2.1 B0505S_2.2 B0505S_2.3 B0505S_2.4 B0505S_3.1 B0505S_3.2 B0505S_3.3 B0505S_3.4 B0505S_4.1 B0505S_4.2 B0505S_4.3 B0505S_4.4 B0505S_5.1 B0505S_5.2 B0505S_5.3 B0505S_5.4 B0512S_1.1 B0512S_1.2 B0512S_1.3 B0512S_1.4 B0512S_2.1 B0512S_2.2 B0512S_2.3 B0512S_2.4 B0512S_3.1 B0512S_3.2 B0512S_3.3 B0512S_3.4 B0512S_4.1 B0512S_4.2 B0512S_4.3 B0512S_4.4 B0512S_5.1 B0512S_5.2 B0512S_5.3 B0512S_5.4 BAT1_1.1 BAT1_1.2 BAT1_2.1 BAT1_2.2 BAT1_3.1 BAT1_3.2 BAT1_4.1 BAT1_4.2 BAT1_5.1 BAT1_5.2 BAT2_1.1 BAT2_1.2 BAT2_2.1 BAT2_2.2 BAT2_3.1 BAT2_3.2 BAT2_4.1 BAT2_4.2 BAT2_5.1 BAT2_5.2 BAT3_1.1 BAT3_1.2 BAT3_2.1 BAT3_2.2 BAT3_3.1 BAT3_3.2 BAT3_4.1 BAT3_4.2 BAT3_5.1 BAT3_5.2 BAT4_1.1 BAT4_1.2 BAT4_2.1 BAT4_2.2 BAT4_3.1 BAT4_3.2 BAT4_4.1 BAT4_4.2 BAT4_5.1 BAT4_5.2 BAT5_1.1 BAT5_1.2 BAT5_2.1 BAT5_2.2 BAT5_3.1 BAT5_3.2 BAT5_4.1 BAT5_4.2 BAT5_5.1 BAT5_5.2 C2_1.1 C2_1.2 C2_2.1 C2_2.2 C2_3.1 C2_3.2 C2_4.1 C2_4.2 C2_5.1 C2_5.2 C3_1.1 C3_1.2 C3_2.1 C3_2.2 C3_3.1 C3_3.2 C3_4.1 C3_4.2 C3_5.1 C3_5.2 JP2.1@4.7,62.6 JP3.1@5,57.94 JP3.2@5,55.4 JP3.3@5,52.86 JP4.1@54.85,47.58 JP4.1@54.85,79.18 JP4.1@54.85,110.38 JP4.1@54.85,141.58 JP4.1@54.85,172.58 JP4.2@54.85,50.12 JP4.2@54.85,81.72 JP4.2@54.85,112.92 JP4.2@54.85,144.12 JP4.2@54.85,175.12 JP4.3@54.85,52.66 JP4.3@54.85,84.26 JP4.3@54.85,115.46 JP4.3@54.85,146.66 JP4.3@54.85,177.66 JP4.4@54.85,55.2 JP4.4@54.85,86.8 JP4.4@54.85,118 JP4.4@54.85,149.2 JP4.4@54.85,180.2 JP5.1@59.5,52.5 JP5.1@59.5,84.1 JP5.1@59.5,115.3 JP5.1@59.5,146.5 JP5.1@59.5,177.5 JP6.1@59.54,55.47 JP6.1@59.54,87.07 JP6.1@59.54,118.27 JP6.1@59.54,149.47 JP6.1@59.54,180.47 SMB1_1.1 SMB1_1.2 SMB1_2.1 SMB1_2.2 SMB1_3.1 SMB1_3.2 SMB1_4.1 SMB1_4.2 SMB1_5.1 SMB1_5.2